# KiCad board Rev3.kicad_pcb (continued)
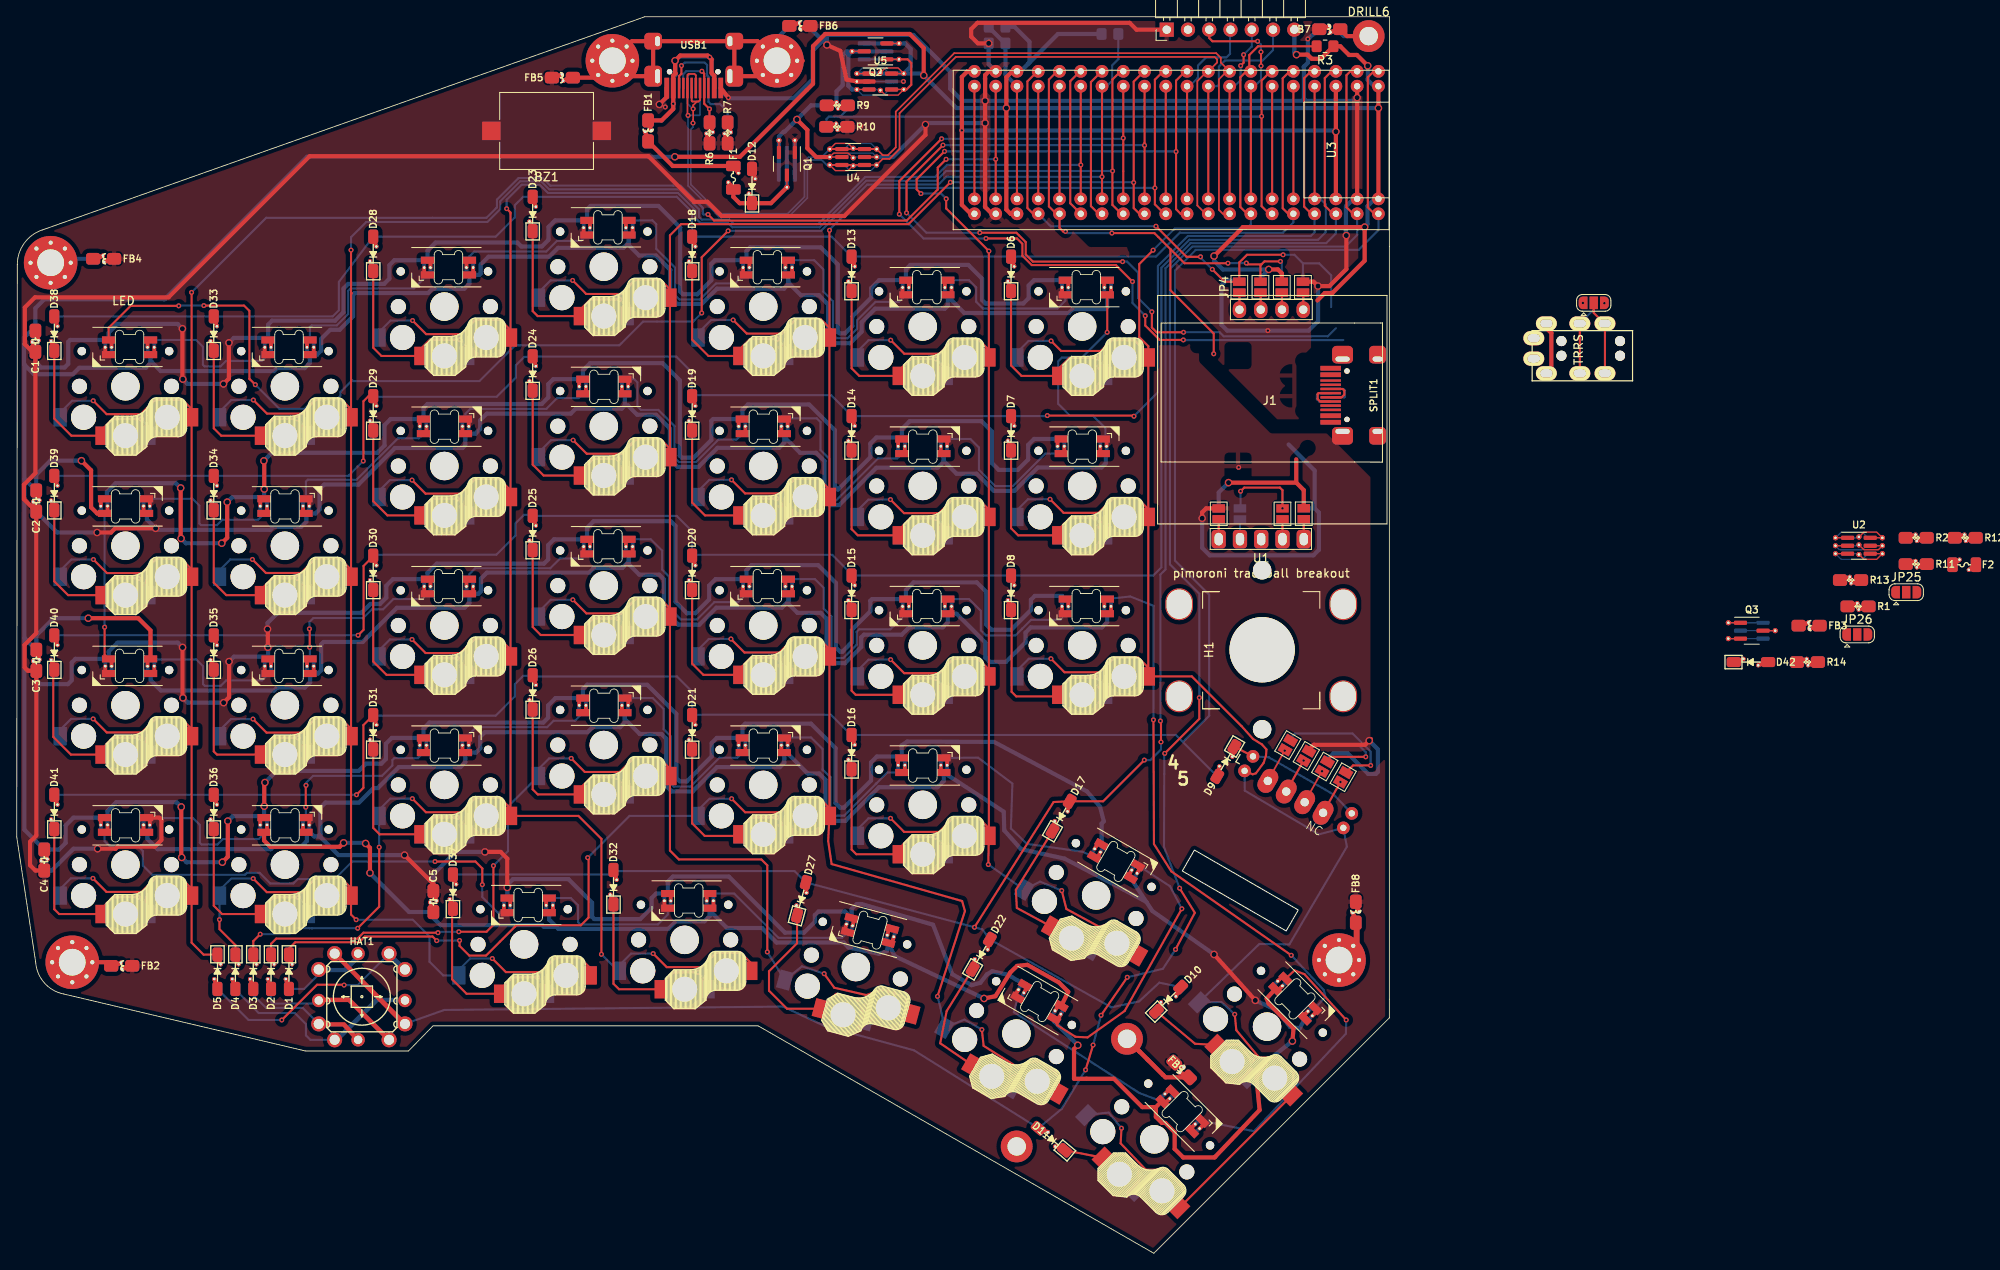
[diagram p0: board, top side]
## Nets
+3V3: R1.1 R2.1 R11.1 R12.1 U3.20 U3.38
/VBUS_BLOCKED: Q1.2 Q2.3 R9.1 U4.5 U5.3
/VBUS_FERRITE: F1.2 FB1.1
/VBUS_FUSED: D12.1 F1.1 Q1.3
GND: BZ1.2 C1.2 C2.2 C3.2 C4.2 C5.2 D12.2 D42.2 FB2.2 FB4.2 FB5.2 FB6.2 FB7.2 FB8.2 FB9.2 J2.A J3.1 JP1.2 JP8.2 JP9.2 JP10.2 JP17.2 JP18.2 Q1.1 Q3.1 R5.2 R6.2 R7.1 R10.2 SPLIT1.A1 SPLIT1.B1 SW1.3 SW2.3 SW3.3 SW4.3 SW6.3 SW7.3 SW8.3 SW9.3 SW10.3 SW11.3 SW12.3 SW13.3 SW14.3 SW15.3 SW16.3 SW17.3 SW18.3 SW19.3 SW20.3 SW21.3 SW22.3 SW23.3 SW24.3 SW25.3 SW26.3 SW27.3 SW28.3 SW29.3 SW30.3 SW31.3 SW32.3 SW33.3 SW34.3 SW35.3 U3.19 U3.39 U4.2 U5.2 USB1.A1 USB1.B1
VDD: C1.1 C2.1 C3.1 C4.1 C5.1 J2.D J3.7 JP2.2 JP7.2 JP13.2 JP14.2 Q2.2 Q3.2 R3.1 R4.1 R8.2 SW1.1 SW2.1 SW3.1 SW4.1 SW6.1 SW7.1 SW8.1 SW9.1 SW10.1 SW11.1 SW12.1 SW13.1 SW14.1 SW15.1 SW16.1 SW17.1 SW18.1 SW19.1 SW20.1 SW21.1 SW22.1 SW23.1 SW24.1 SW25.1 SW26.1 SW27.1 SW28.1 SW29.1 SW30.1 SW31.1 SW32.1 SW33.1 SW34.1 SW35.1 U2.5 U3.18 U3.40 U5.1 U5.5
/SHIELD1: DRILL3.1 FB4.1
/SHIELD4: DRILL6.1 FB7.1
/SHIELD5: DRILL7.1 FB8.1
/SHIELD6: DRILL8.1 DRILL8#2.1 FB9.1
/SHIELD8: DRILL1.1 FB2.1
AUDIO: BZ1.1 U3.35
cc1: R6.1 USB1.A5
cc2: R7.2 USB1.B5
col0: D5.1 SW32.6 SW33.6 SW34.6 SW35.6 U3.22
col1: D4.1 SW27.6 SW28.6 SW29.6 SW30.6 SW31.6 U3.26
col2: D3.1 SW22.6 SW23.6 SW24.6 SW25.6 SW26.6 U3.13
col3: D2.1 SW17.6 SW18.6 SW19.6 SW20.6 SW21.6 U3.12
col4: D1.1 SW12.6 SW13.6 SW14.6 SW15.6 SW16.6 U3.11
col5: SW7.6 SW8.6 SW9.6 SW10.6 SW11.6 U3.10
col6: R3.2 SW1.6 SW2.6 SW3.6 SW4.6 SW5.S2 SW6.6 U3.7
CS: J3.3 U3.34
D+: U3.9 U4.1 U4.6 USB1.A6 USB1.B6
D-: U3.8 U4.3 U4.4 USB1.A7 USB1.B7
ENCA: JP19.2 JP20.2 U3.14
ENCB: JP21.2 JP22.2 U3.15
LED: R8.1 SW32.4 U3.27
LINE1: JP25.2 SPLIT1.A7 SPLIT1.B7
LINE2: JP26.2 SPLIT1.A6 SPLIT1.B6
M: JP19.1 JP23.1 SW5.A
MISO: J3.6 U3.32
MOSI: J3.5 U3.33
N: JP18.1 JP22.1 SW5.B
O: JP17.1 JP21.1 SW5.C
P: JP20.1 JP24.1 SW5.D
PLUG: R9.2 R10.1 U3.6
row0: D6.2 D13.2 D18.2 D23.2 D28.2 D33.2 D38.2 U3.5
row1: D7.2 D14.2 D19.2 D24.2 D29.2 D34.2 D39.2 U3.4
row2: D8.2 D15.2 D20.2 D25.2 D30.2 D35.2 D40.2 U3.37
row3: D9.2 D16.2 D21.2 D26.2 D31.2 D36.2 D41.2 U3.1
row4: D10.2 D17.2 D22.2 D27.2 D32.2 D37.2 U3.3
row5: D11.2 HAT1.4 U3.2
RX: JP25.1 JP26.1 R14.2 U2.3 U2.4
SCK: J3.4 U3.31
SCL: JP3.2 JP6.2 U1.3 U3.16
SDA: JP4.2 JP5.2 JP15.2 JP16.2 U3.17
SHIELD: DRILL4.1 DRILL5.1 FB5.1 FB6.1 SPLIT1.S1 USB1.S1
SPLIT_HAND: R4.2 R5.1 U3.23
TX: JP25.3 JP26.3 R13.2 U2.1 U2.6
USART3_RX: JP11.3 JP12.3 U3.29
USART3_TX: JP11.1 JP12.1 R1.2 R2.2 R11.2 R12.2 R13.1 R14.1 U3.28
V: JP9.1 JP14.1 U1.5
V_USB: FB1.2 USB1.A4 USB1.B4
W: JP10.1 JP13.1 U1.1
X: JP16.1 U1.4
Y: JP15.1 U1.2
Net-(D1-Pad2): D1.2 HAT1.1
Net-(D2-Pad2): D2.2 HAT1.2
Net-(D3-Pad2): D3.2 HAT1.3
Net-(D4-Pad2): D4.2 HAT1.5
Net-(D5-Pad2): D5.2 HAT1.6
Net-(D6-Pad1): D6.1 SW1.5
Net-(D7-Pad1): D7.1 SW2.5
Net-(D8-Pad1): D8.1 SW3.5
Net-(D9-Pad1): D9.1 SW5.S1
Net-(D10-Pad1): D10.1 SW4.5
Net-(D11-Pad1): D11.1 SW6.5
Net-(D13-Pad1): D13.1 SW7.5
Net-(D14-Pad1): D14.1 SW8.5
Net-(D15-Pad1): D15.1 SW9.5
Net-(D16-Pad1): D16.1 SW10.5
Net-(D17-Pad1): D17.1 SW11.5
Net-(D18-Pad1): D18.1 SW12.5
Net-(D19-Pad1): D19.1 SW13.5
Net-(D20-Pad1): D20.1 SW14.5
Net-(D21-Pad1): D21.1 SW15.5
Net-(D22-Pad1): D22.1 SW16.5
Net-(D23-Pad1): D23.1 SW17.5
Net-(D24-Pad1): D24.1 SW18.5
Net-(D25-Pad1): D25.1 SW19.5
Net-(D26-Pad1): D26.1 SW20.5
Net-(D27-Pad1): D27.1 SW21.5
Net-(D28-Pad1): D28.1 SW22.5
Net-(D29-Pad1): D29.1 SW23.5
Net-(D30-Pad1): D30.1 SW24.5
Net-(D31-Pad1): D31.1 SW25.5
Net-(D32-Pad1): D32.1 SW26.5
Net-(D33-Pad1): D33.1 SW27.5
Net-(D34-Pad1): D34.1 SW28.5
Net-(D35-Pad1): D35.1 SW29.5
Net-(D36-Pad1): D36.1 SW30.5
Net-(D37-Pad1): D37.1 SW31.5
Net-(D38-Pad1): D38.1 SW32.5
Net-(D39-Pad1): D39.1 SW33.5
Net-(D40-Pad1): D40.1 SW34.5
Net-(D41-Pad1): D41.1 SW35.5
Net-(D42-Pad1): D42.1 F2.1 Q3.3
Net-(F2-Pad2): F2.2 FB3.2
Net-(FB3-Pad1): FB3.1 SPLIT1.A4 SPLIT1.B4
Net-(J1-Pad1): J1.1 JP4.1 JP8.1
Net-(J1-Pad2): J1.2 JP3.1 JP7.1
Net-(J1-Pad3): J1.3 JP2.1 JP6.1
Net-(J1-Pad4): J1.4 JP1.1 JP5.1
Net-(J2-PadB): J2.B JP12.2
Net-(J2-PadC): J2.C JP11.2
Net-(Q2-Pad1): Q2.1 U5.4
Net-(SW1-Pad2): SW1.2 SW2.4
Net-(SW1-Pad4): SW1.4 SW7.2
Net-(SW2-Pad2): SW2.2 SW8.4
Net-(SW3-Pad2): SW3.2 SW4.4
Net-(SW3-Pad4): SW3.4 SW9.2
Net-(SW4-Pad2): SW4.2 SW6.4
Net-(SW10-Pad2): SW10.2 SW15.4
Net-(SW10-Pad4): SW10.4 SW11.2
Net-(SW11-Pad4): SW11.4 SW16.2
Net-(SW12-Pad2): SW7.4 SW12.2
Net-(SW12-Pad4): SW12.4 SW17.2
Net-(SW13-Pad2): SW13.2 SW18.4
Net-(SW13-Pad4): SW8.2 SW13.4
Net-(SW14-Pad2): SW9.4 SW14.2
Net-(SW14-Pad4): SW14.4 SW19.2
Net-(SW15-Pad2): SW15.2 SW20.4
Net-(SW16-Pad4): SW6.2 SW16.4
Net-(SW17-Pad4): SW17.4 SW22.2
Net-(SW18-Pad2): SW18.2 SW23.4
Net-(SW19-Pad4): SW19.4 SW24.2
Net-(SW20-Pad2): SW20.2 SW25.4
Net-(SW21-Pad4): SW21.4 SW26.2
Net-(SW22-Pad4): SW22.4 SW27.2
Net-(SW23-Pad2): SW23.2 SW28.4
Net-(SW24-Pad4): SW24.4 SW29.2
Net-(SW25-Pad2): SW25.2 SW30.4
Net-(SW26-Pad4): SW26.4 SW31.2
Net-(SW27-Pad4): SW27.4 SW32.2
Net-(SW28-Pad2): SW28.2 SW33.4
Net-(SW29-Pad4): SW29.4 SW34.2
Net-(SW30-Pad2): SW30.2 SW35.4
Net-(SW31-Pad4): SW31.4 SW35.2
Net-(SW33-Pad2): SW33.2 SW34.4

Pads without a net: J3 2; JP23 2; JP24 2; SPLIT1 A5 B5 ~; SW21 2; U1 6 7 8 9; U2 2; U3 21 24 25 30 36; USB1 ~

## Via types
v1: diameter 0.9, hole 0.6, Top to Bottom, 63 vias
v2: diameter 0.6, hole 0.3, Top to Bottom, 194 vias

## Routing (per net, layer and track width the routed paths; a pad name or vN(x,y) marks a point on that pad's centre or on a via; arc(x,y) is an arc through that point)
+3V3: length 77.2
  Top w0.5: U3.38 v1(157.59,134) U3.38 ; 114.41,124.19 113.98,124.19 112.91,125.26 v2(112.91,134.15) 112.91,140.54 113.58,141.21 U3.20
  Bottom w0.5: v2(112.91,134.15) 157.45,134.15 v1(157.59,134)
/VBUS_BLOCKED: length 36.7
  Top w0.5: U4.5 95.5,130.97 94.45,132.02 94.45,134.21 v1(93.21,135.46)
  Bottom w0.5: Q2.3 Q2.3 ; Q2.3 99.34,143.13 99.34,139.49 99.79,139.04 U5.3 ; Q2.3 99.14,143.59 98.68,143.13 98.68,139.56 97.94,138.82 R9.1 97.56,137.14 R9.1 ; Q1.2 Q1.2 91.06,133.43 91.63,134 91.75,134 v1(93.21,135.46) 94.89,137.14 R9.1
/VBUS_FERRITE: length 11.6
  Top w0.5: FB1.1 78.37,129.9 F1.2 85.61,130.06
/VBUS_FUSED: length 12.5
  Top w0.5: F1.1 85.61,126.21 86.37,125.45 D12.1 90.1,125.45 Q1.3
  Bottom w0.5: Q1.3 Q1.3
GND: length 1346.3
  Top w0.5: v1(29.96,74.57) 30,74.53 v1(30,72.4) ; v1(58.6,43.7) 58.6,47.16 57.81,47.95 v1(55.93,47.95) ; v1(76.77,137.25) 77.66,138.13 USB1.A1 ; U3.39 v1(160.13,138.06) U3.39 ; v1(25.35,108.77) 25.35,104.51 v1(24.7,103.86) ; v1(9.6,86.11) 11.26,86.11 11.76,86.61 v1(16.59,86.61) ; 116.96,141.21 116.14,141.21 115.69,140.76 v1(115.69,137.69) v1(115.69,135.03) 115.69,125 116.5,124.19 116.96,124.19 ; C5.2 49.78,44.12 v1(46.33,47.57) ; JP1.2 154.94,116.07 v1(155.46,115.55) 156.82,115.55 158.84,117.57 v1(158.84,121.59) ; 161.78,61.44 v1(161.59,61.25) 161.09,60.75 154.97,60.75 154.39,60.17 JP17.2 ; v1(19.81,72.38) 19.81,66.4 ; v1(9.66,48.33) 11.8,48.33 12.05,48.58 16.5,48.58 17.28,49.36 17.28,51.78 17.02,52.04 SW35.3 ; v1(143.04,35.7) v1(147.97,30.21) ; v1(141.62,87.81) 141.62,88.52 142.09,88.99 JP10.2 ; v1(116.12,144.55) 114.83,144.55 114.03,145.35 114.03,146.26 114.77,147 132.96,147 133.78,146.19 J3.1 ; v1(96.79,144.36) 98.38,143.65 99.13,140.23 U5.2 U5.2 ; v1(19.79,110.46) 19.79,104.48 v1(19.84,104.43) ; v1(25.36,70.69) 25.36,66.43 v1(24.72,65.78) ; v1(108.56,134.86) 108.56,133.62 98.87,123.92 84.21,123.92 82.51,125.62 80.92,125.62 75.47,131.07 35,131.07 18.14,114.21 2.18,114.21 0.97,113 0.97,108.59 1.85,107.71 C1.2 2.23,93.2 0.86,91.83 0.86,90.09 C2.2 2.33,74.08 0.94,72.69 0.94,69.99 1.34,69.59 C3.2 2.34,49.91 1.59,49.16 1.59,46.36 2.22,45.73 C4.2 ; USB1.A1 v2(85.02,138.06)
  Bottom w0.5: 154.03,137.69 159.76,137.69 v1(160.13,138.06) ; 154.03,137.69 v1(115.69,137.69) 112.96,137.69 111.52,139.13 111.52,141.16 107.12,145.56 96.97,145.56 ; 154.03,137.69 153.77,137.95 153.77,141.76 ; v1(161.59,61.25) 162.61,60.22 162.61,57.5 162.38,57.27 161.45,57.27 158.99,59.73 157.31,59.73 156.59,59.01 JP18.2 ; 34.6,88.39 34.6,87.41 33.97,86.78 30.65,86.78 30.3,86.43 16.77,86.43 v1(16.59,86.61) 15.55,87.65 15.55,88.39 ; C3.2 2.34,68.46 2.81,67.99 6.11,67.99 6.57,68.45 6.57,70.58 7,71.01 SW34.3 ; Q1.1 Q1.1 ; 34.66,50.24 34.66,49.26 34.03,48.63 30.71,48.63 30.36,48.28 16.83,48.28 15.61,49.5 15.61,50.24 ; 101.98,77.94 102.2,78.16 SW9.3 106.23,79.23 107.15,80.15 114.69,80.15 115.82,79.02 115.82,75.11 116.44,74.49 118.8,74.49 121.16,76.85 121.16,78.06 121.64,78.54 124.89,78.54 SW3.3 ; 101.98,77.94 101.98,76.7 99.78,74.5 99.78,73.01 98.64,71.87 98.36,71.87 97.87,72.36 97.87,80.08 95.74,82.21 87.78,82.21 87.18,81.61 SW14.3 83.49,80.54 82.72,79.77 82.72,78.11 81.08,76.47 80.07,76.47 78.7,77.84 78.7,86.91 78.15,87.46 68.92,87.46 68.13,86.67 SW19.3 64.19,85.3 63.49,84.6 63.49,82.89 62.99,82.39 50.17,82.39 49.08,81.3 SW24.3 44.94,80.54 44.15,79.75 44.15,78.32 43.4,77.57 42.24,77.57 41.19,76.52 31.18,76.52 29.96,75.3 v1(29.96,74.57) ; 101.98,77.94 101.96,77.96 ; 134.95,41.97 135.67,40.89 v1(143.04,35.7) ; 134.95,41.97 SW11.3 ; 134.95,41.97 132.26,43.43 125.17,47.15 119.96,48.29 117.98,50.52 117.91,52.76 SW10.3 110.75,56.42 110.01,55.68 103.01,55.68 98.99,51.66 97.14,51.66 96.61,52.19 96.61,56.58 95.87,57.32 94.49,57.32 91.99,59.82 SW15.3 91.7,58.61 91.17,58.08 83.65,58.08 80.75,55.18 78.25,55.18 77.58,55.85 77.58,61.48 77.02,62.04 74.43,62.04 72.65,63.82 SW20.3 72.65,63.41 72.09,62.85 68.79,62.85 68.19,62.25 55.91,62.25 55.37,61.71 55.37,60.32 54.87,59.82 SW25.3 53.6,58.67 53.02,58.09 45.65,58.09 43.14,55.58 42.63,55.58 40.89,53.84 36.88,53.84 36.27,53.23 36.27,50.07 ; v1(147.97,30.21) 150.5,29.06 152.14,27.03 153.28,26.88 SW4.3 ; SW2.3 130.1,95.23 130.1,94.38 129.6,93.88 121.99,93.88 119.2,91.09 116.73,91.09 114.69,93.13 112.28,93.13 110.75,94.66 SW8.3 110.75,94.58 110.02,93.85 102.7,93.85 98.23,89.38 97.13,89.38 96.5,90.01 96.5,94.64 95.51,95.63 93.58,95.63 91.7,97.51 SW13.3 91.7,96.85 91.08,96.23 83.72,96.23 81.44,93.95 78.94,93.95 78.02,94.87 78.02,98.54 76.38,100.18 74.12,100.18 73.02,101.28 72.65,101.28 ; v1(9.66,48.33) 6.77,48.33 4.17,45.73 C4.2 ; v1(19.81,72.38) 19.23,72.95 12.03,72.95 10.99,71.91 10.99,71.03 ; 96.97,145.56 95.11,143.7 95.11,140.28 92.82,137.99 85.09,137.99 v2(85.02,138.06) 84.1,138.97 USB1.A1 ; 96.97,145.56 96.79,145.38 v1(96.79,144.36) 94.81,146.34 FB6.2 ; v1(76.77,137.25) 77.66,138.13 USB1.A1 77.65,139.21 ; v1(158.84,121.59) 158.8,121.63 158.8,125.08 159.69,125.97 U3.39 ; v1(116.12,144.55) 116.12,142.04 116.96,141.21 ; SW1.3 121.53,116.26 120.89,115.62 120.89,114.11 120.25,113.47 115.75,113.47 115.32,113.9 115.32,116.44 113.68,118.08 106.75,118.08 106.23,117.56 SW7.3 103.02,116.26 102.08,115.32 102.08,114.17 99.81,111.9 99.81,110.77 98.95,109.91 98.27,109.91 98.09,110.09 98.09,118.13 96.04,120.18 87.61,120.18 87.18,119.75 SW12.3 83.4,118.64 82.98,118.22 82.98,116.24 81.32,114.58 79.58,114.58 79.26,114.9 79.26,122.53 76.66,125.13 68.54,125.13 68.13,124.72 SW17.3 64.32,123.4 63.53,122.61 63.53,121.09 62.72,120.28 60.28,120.28 59.81,120.75 50.04,120.75 49.08,119.79 SW22.3 45.11,118.64 44.52,118.05 44.52,116.44 43.89,115.81 39.59,115.81 39.04,115.26 39.04,112.43 38.03,111.42 30.51,111.42 30.03,110.94 SW27.3 29.78,109.36 25.94,109.36 v1(25.35,108.77) ; JP8.2 145.93,116.2 144.46,116.2 143.93,115.67 143.93,110.92 144.62,110.23 v2(149.47,110.23) 154.33,110.23 155.46,111.36 v1(155.46,115.55) ; 29.8,71.28 25.95,71.28 v1(25.36,70.69) ; v1(19.79,110.46) 19.22,111.03 12.02,111.03 10.98,109.99 SW32.3 6.37,109.11 6.15,108.89 6.15,106.26 5.71,105.82 2.92,105.82 2.23,106.51 C1.2 ; FB7.2 v2(154.24,145.08) 154.24,142.23 153.77,141.76 ; 151.94,96.62 155.06,93.51 155.06,89 ; 72.65,101.28 SW18.3 ; 72.65,101.28 72.28,100.91 66.79,100.91 66.19,100.31 56.15,100.31 55.36,99.52 55.36,98.48 54.8,97.92 SW23.3 53.6,96.54 53.27,96.21 45.19,96.21 40.82,91.84 36.73,91.84 36.18,91.29 36.18,88.88 35.69,88.39 SW28.3 ; v1(30,72.4) 30.03,72.37 SW29.3 ; 36.27,50.07 36.27,49.74 38.44,47.57 v1(46.33,47.57) ; 36.27,50.07 36,49.8 35.53,49.8 35.04,50.29 SW30.3 ; SW31.3 v1(58.6,43.7) 58.6,44.01 59.29,44.7 65.91,44.7 68.74,41.87 68.74,40.19 69.01,39.92 74.48,39.92 75.85,41.29 75.85,42.43 76.39,42.98 SW26.3 77.78,44.39 78.4,45.01 85.07,45.01 91.77,38.31 94.06,38.31 95.35,39.6 95.35,40.4 95.78,40.83 98.97,40.83 SW21.3 99.74,41.11 100.35,41.72 100.94,41.72 109.47,39.25 111.75,33.35 114.08,32.03 115.12,32.31 115.9,33.32 116.53,33.69 118.43,33.27 SW16.3 ; C5.2 49.78,45.3 52.43,47.95 v1(55.93,47.95) ; 153.77,141.76 153.75,141.76 ; 155.06,89 155.57,88.49 155.57,84.04 154.91,83.38 142.52,83.38 141.62,84.28 v1(141.62,87.81) ; 155.06,89 JP9.2 ; 160.12,139.43 U3.39 ; v1(19.86,66.35) 20.42,65.78 v1(24.72,65.78) ; v1(115.69,135.03) 108.74,135.03 v1(108.56,134.86) 104.68,130.97 U4.2 ; v1(9.6,86.11) 4.84,86.11 C2.2 ; v1(19.84,104.43) 20.41,103.86 v1(24.7,103.86)
  vias: v2(77.48,136.95) v2(100.81,134.64) v2(105.93,140) v2(145.98,93.89)
VDD: length 1300.7
  Top w0.5: v1(29.57,53.41) 29.57,56.16 v1(29.65,56.24) ; JP2.2 151.13,117.08 150.67,117.54 v1(149.57,117.54) ; 144.85,92.15 v1(144.77,92.07) 152.86,92.07 ; 119.5,124.19 118.73,124.19 118.23,124.69 v1(118.23,136.82) 118.23,140.5 118.94,141.21 U3.18 ; SW16.1 125.62,31.24 124.52,32.34 120.74,34.46 119.51,34.33 118.71,33.56 116.92,30.71 v1(115.56,30.44) ; U3.40 v1(162.68,136.81) U3.40 ; v1(42.2,45.44) 42.2,48.44 v1(41.68,48.96) ; 152.86,92.07 153.75,91.18 JP14.2 ; 152.86,92.07 152.86,94.85 ; SW30.1 29.55,49.31 30.3,48.56 38.57,48.56 v1(39.05,49.04) ; 136.09,17.46 136.09,16.3 136.82,15.57 137.22,15.57 138.33,14.46 138.33,12.47 139.35,11.45 143.1,11.45 143.19,11.54 148.48,17.11 148.11,20.92 v1(148.99,22.66) ; 136.09,17.46 134.47,17.46 131.08,20.85 126.31,20.85 126.31,24.4 v1(126.76,24.85) ; 136.09,17.46 136.73,18.1 SW6.1 ; J2.D 183.34,105.73 183.34,109.94 182.74,110.54 J2.D ; v1(161.4,141.87) 160.11,143.16 159.16,143.16 158.12,144.2 R3.1 155.81,142.71 154.71,142.71 154.22,143.2 v1(152.89,143.2) ; v1(152.4,25.35) 152.54,26.87 149.57,29.82 149.33,30.44 SW4.1 ; SW34.1 15.98,74.41 14.52,75.87 v1(8.55,75.87) ; v1(78.62,131) 86.41,131 95.13,139.72 95.13,144.22 96.58,145.67 106.68,145.67 108.35,144 v1(108.35,140.72) ; v1(25.14,89.74) 25.14,85.48 v1(24.5,84.83) ; v1(29.52,94.67) 29.57,94.62 v1(29.57,91.3) ; v1(19.66,53.32) 19.66,47.34 ; SW33.1 9.61,88.39 8.88,89.12 8.88,93.54 v1(7.73,94.69) ; v1(25.22,51.63) 25.22,47.37 v1(24.56,46.72) ; v1(143.04,119.14) 146.5,122.6 v1(161.03,122.6) 161.03,118.58 157.17,114.72 156.27,114.72 155.39,113.84 ; v1(19.58,91.43) 19.58,85.45
  Bottom w0.5: 10.84,51.97 10.84,52.85 11.89,53.89 19.08,53.89 v1(19.66,53.32) ; v1(29.52,94.67) 30.49,95.64 43.07,95.64 43.94,96.51 43.94,98.94 44.67,99.67 SW23.1 48.6,101 49.06,101.46 62.72,101.46 63.5,102.24 63.5,103.84 64.09,104.43 SW18.1 67.65,105.49 68.5,106.34 77.17,106.34 79.22,104.29 79.22,95.29 79.46,95.05 80.86,95.05 82.98,97.17 82.98,99.45 83.2,99.67 SW13.1 86.7,100.77 87.34,101.41 94.66,101.41 97.74,98.33 97.74,91.61 98.09,91.26 98.13,91.26 101.98,95.11 101.98,96.74 102.7,97.46 105.57,97.46 SW8.1 105.75,98.48 106.68,99.41 115.27,99.41 116.51,98.17 116.51,94.4 117.32,93.59 119.59,93.59 120.83,94.83 120.83,96.58 121.54,97.29 SW2.1 ; v1(39.05,49.04) 41.6,49.04 v1(41.68,48.96) ; 0.92,92.54 0.92,73.52 ; 0.92,92.54 0.92,106.17 ; 0.92,92.54 C2.1 2.33,93.01 4.01,94.69 v1(7.73,94.69) ; 0.92,73.52 C3.1 2.34,73.81 4.4,75.87 v1(8.55,75.87) ; 0.92,73.52 0.92,50.61 3.29,48.23 5.05,48.23 5.84,49.02 5.84,51.11 6.77,52.04 SW35.1 ; Q2.2 Q2.2 106.13,144.54 106.8,143.87 106.8,141.77 U5.5 ; SW31.1 63.6,39.87 64.46,39.02 ; 64.46,39.02 64.44,39 63,39 62.8,39.2 50.62,39.2 49.78,40.05 C5.1 46.87,40.77 v1(42.2,45.44) ; 64.46,39.02 64.71,38.76 77.85,38.76 78.75,39.66 82.16,39.66 82.78,40.28 SW26.1 82.78,40.93 84.85,38.86 89.04,38.86 90.78,37.12 98.79,37.12 99.37,36.54 103.02,35.77 103.96,36.11 SW21.1 104.89,35.5 v1(115.56,30.44) ; JP7.2 148.59,116.56 v1(149.57,117.54) 144.08,117.54 143.04,118.58 v1(143.04,119.14) ; R8.2 124.39,145.67 120.79,142.07 120.79,142.06 ; v1(29.57,53.41) 29.55,53.39 SW30.1 ; U5.1 U5.5 ; U5.5 108.14,140.94 v1(108.35,140.72) 112.26,136.82 v1(118.23,136.82) 162.67,136.82 v1(162.68,136.81) ; v1(19.58,91.43) 19.02,92 11.81,92 10.77,90.96 10.77,90.08 ; 35.05,69.19 35.05,68.21 34.42,67.58 31.1,67.58 30.75,67.23 17.22,67.23 16,68.45 16,69.19 ; v1(148.99,22.66) v1(152.4,25.35) ; JP13.2 143.59,90.9 v1(144.77,92.07) ; J3.7 152.62,143.47 v1(152.89,143.2) ; v1(24.56,46.72) 20.28,46.72 v1(19.7,47.29) ; SW29.1 35.98,69.26 36.37,69.65 36.37,72.75 36.65,73.03 41.33,73.03 45.42,77.12 53.5,77.12 54.08,77.7 SW24.1 55.15,78.79 55.45,79.09 55.45,80.6 56.17,81.32 68.39,81.32 68.89,81.82 68.89,81.83 68.93,81.87 72.34,81.87 73.13,82.66 SW19.1 73.13,82.31 74.36,81.08 76.75,81.08 77.31,80.52 77.31,76.81 79.02,75.1 81.55,75.1 83.58,77.13 91.42,77.13 92.23,77.94 92.23,78.74 SW14.1 92.18,77.6 93.27,76.51 96.05,76.51 96.74,75.82 96.74,71.27 97.51,70.5 98.95,70.5 100.89,72.44 100.89,73.58 101.21,73.9 105.73,73.9 106.61,74.78 110.63,74.78 111.23,75.38 SW9.1 112.27,76.41 115.72,72.96 115.72,71.17 116.24,70.65 118.18,70.65 120.52,72.99 120.52,74.15 121.14,74.77 129.64,74.77 130.28,75.41 SW3.1 ; v1(25.22,51.63) 25.81,52.22 29.65,52.22 ; v1(161.4,141.87) 161.4,140.19 162.16,139.43 U3.40 ; v1(29.65,56.24) 31.04,57.63 40.86,57.63 41.72,58.49 43.55,58.49 44.1,59.04 44.1,60.86 44.81,61.57 SW25.1 48.6,62.7 49.3,63.4 62.9,63.4 63.48,63.98 63.48,65.44 64.37,66.33 SW20.1 67.65,67.43 68.14,67.92 75.32,67.92 78.8,64.44 78.8,56.79 79.21,56.38 80.05,56.38 83.03,59.36 83.03,60.97 83.63,61.57 SW15.1 86.7,62.95 87.02,63.27 94.89,63.27 97.82,60.34 97.82,53.79 98.37,53.24 98.82,53.24 102.06,56.48 102.06,58.65 102.75,59.34 105.59,59.34 SW10.1 105.71,60.68 106.38,61.13 116.75,61.09 127.86,55.18 129.42,53.34 129.87,51.6 129.61,51.34 SW11.1 ; U3.18 119.94,141.21 120.79,142.06 ; v1(24.5,84.83) 20.2,84.83 v1(19.64,85.4) ; v1(161.03,122.6) 161.37,122.94 161.37,125.1 162.24,125.97 U3.40 162.92,125.97 ; R4.1 119.21,146.53 120.99,144.74 120.99,142.26 120.79,142.06 ; SW1.1 130.28,113.03 130.06,112.81 126.16,112.81 125.68,112.33 113.21,112.33 111.23,114.31 SW7.1 111.23,113.21 110.87,112.85 102.56,112.85 100.94,111.23 100.94,110.1 99.56,108.72 97.69,108.72 96.94,109.47 96.94,113.36 95.84,114.46 93.69,114.46 92.18,115.97 SW12.1 92.18,115.75 91.67,115.24 83.66,115.24 81.84,113.42 78.86,113.42 78.07,114.21 78.07,117.49 76.36,119.2 74.35,119.2 73.13,120.42 SW17.1 73.13,120.76 72.49,120.12 64.67,120.12 63.61,119.06 56.36,119.06 55.42,118.12 55.42,117.05 55.26,116.89 SW22.1 54.08,115.85 53.46,115.23 49.66,115.23 49.15,114.72 40.36,114.72 40.18,114.54 40.18,111.94 38.57,110.33 37.45,110.33 36.37,109.25 36.37,107.84 35.89,107.36 SW27.1 35.03,106.38 34.4,105.75 31.08,105.75 30.73,105.4 17.2,105.4 16.12,106.48 ; SW32.1 15.98,106.62 16.12,106.48 ; 16.12,106.48 15.43,105.79 7.47,105.79 6.7,105.02 2.06,105.02 0.92,106.17 ; 0.92,106.17 0.87,106.21 0.87,109.37 1.71,110.21 2.23,110.21 2.23,112.91 3.3,113.98 17.67,113.98 34.69,131 v1(78.62,131) ; 29.58,90.33 25.73,90.33 v1(25.14,89.74) ; v1(126.76,24.85) 123.91,27.7 SW16.1 ; v1(29.57,91.3) 29.55,91.28 SW28.1
/SHIELD1: length 5.3
  Bottom w0.5: DRILL3.1 4.52,118.81 FB4.1
/SHIELD4: length 7.4
  Top w0.5: FB7.1 158.93,145.42 DRILL6.1
  Bottom w0.5: 158.04,145.92 158.54,145.42 DRILL6.1
/SHIELD5: length 8.1
  Top w0.5: 160.18,36.72 160.18,39.3 FB8.1 159.97,34.52 160.18,34.32
/SHIELD6: length 16.8
  Top w0.5: 134.16,24.06 135.26,22.99 ; 134.16,24.06 133.37,24.84 ; 134.16,24.06 DRILL8#2.1 136.97,21.28 ; 135.26,22.99 135.11,23.14 135.07,23.14 ; 135.26,22.99 136.97,21.28 ; 136.97,21.28 137.23,21.02 FB9.1
/SHIELD8: length 4.8
  Top w0.5: DRILL1.1 10.86,34.77 FB2.1
AUDIO: length 13.5
  Top w0.25: U3.35 U3.35
cc1: length 10.5
  Top w0.25: 82.77,135.1 82.76,135.11 v2(82.76,136.71) 82.13,137.34 USB1.A5 82.13,140.94 v2(81.85,141.22)
  Bottom w0.25: USB1.A5 79.63,140.87 79.98,141.22 v2(81.85,141.22)
cc2: length 14.7
  Top w0.25: v2(79.41,141.88) 79.41,140.92 79.13,140.64 USB1.B5
  Bottom w0.25: 84.93,135.1 84.93,136.39 84.03,137.29 82.92,137.29 82.63,137.58 USB1.B5 82.64,139.22 82.64,140.55 82.47,140.72 82.47,141.98 82.2,142.25 79.78,142.25 v2(79.41,141.88)
col0: length 283.4
  Top w0.25: 20.89,114.92 v2(20.89,114.8) SW32.6 ; SW32.6 SW33.6 SW34.6 SW35.6 20.89,37.11 22.32,35.68 D5.1 ; SW32.6 20.89,100.88 19.81,101.96 16.52,101.96 14.81,100.25 10.74,100.25 v2(9.14,101.85) ; 20.83,80.82 20.83,81.77 19.59,83.01 16.71,83.01 14.96,81.26 10.78,81.26 v2(9.16,82.88) ; 116.96,125.97 v2(116.96,130.71) 116.96,139.43 ; v2(111.03,130.7) 110.03,129.7 110.03,127.09 106.32,123.38 83.31,123.38 v2(82.58,124.11) ; 20.77,42.73 20.77,43.68 19.53,44.92 16.65,44.92 14.9,43.17 10.72,43.17 v2(9.1,44.79) ; v2(9.13,63.84) 10.75,62.22 14.93,62.22 16.68,63.97 19.56,63.97 20.8,62.73 20.8,61.78
  Bottom w0.25: v2(9.1,44.79) 6.46,44.79 5.07,43.4 5.07,42.73 ; v2(111.03,130.7) 116.95,130.7 v2(116.96,130.71) ; v2(9.14,101.85) 6.61,101.85 5.19,100.43 SW32.6 ; v2(9.16,82.88) 6.52,82.88 5.13,81.49 5.13,80.82 ; 5.1,61.78 5.1,62.45 6.49,63.84 v2(9.13,63.84) ; v2(82.58,124.11) 82.05,124.11 81.97,124.19 81.97,124.89 79.31,127.55 63.74,127.55 62.83,128.46 59.95,128.46 57.37,125.88 57.37,124.96 56.12,123.71 29.8,123.71 v2(20.89,114.8)
col1: length 315.1
  Top w0.25: SW27.6 39.94,100.83 38.7,102.07 35.82,102.07 34.07,100.32 29.89,100.32 v2(28.27,101.94) ; SW27.6 SW28.6 SW29.6 SW30.6 39.94,40.46 v2(40.55,39.85) ; SW27.6 39.94,114.61 ; v2(28.25,44.76) 29.87,43.14 34.05,43.14 35.8,44.89 38.68,44.89 39.92,43.65 39.92,42.7 ; v2(28.22,63.82) 29.84,62.2 34.02,62.2 35.77,63.95 38.65,63.95 39.89,62.71 39.89,61.76 ; 39.82,80.83 39.82,81.78 38.58,83.02 35.7,83.02 33.95,81.27 29.77,81.27 v2(28.15,82.89) ; U3.26 v2(127.12,130.03) U3.26 ; D4.1 26.12,36.82 24.22,38.72 v2(24.22,39.86) ; 39.94,114.61 v2(39.94,119.85) ; 39.94,114.61 40.04,114.71 ; v2(56.81,35.21) 58.43,33.59 62.61,33.59 64.36,35.34 67.24,35.34 68.48,34.1 68.48,33.15
  Bottom w0.25: v2(39.94,119.85) 39.94,121.39 41.76,123.21 56.22,123.21 57.76,124.75 57.76,125.68 60.15,128.07 62.64,128.07 63.6,127.11 79.11,127.11 81.49,124.73 81.49,123.83 81.83,123.49 85.14,123.49 85.63,123 95.79,123 101.38,128.59 109.71,128.59 111.15,130.03 v2(127.12,130.03) ; v2(28.27,101.94) 25.63,101.94 24.24,100.55 SW27.6 ; v2(28.22,63.82) 25.58,63.82 24.19,62.43 24.19,61.76 ; v2(56.81,35.21) 54.17,35.21 52.78,33.82 52.78,33.15 ; v2(24.22,39.86) 24.24,39.88 SW30.6 ; SW31.6 50.94,33.2 49.31,34.83 49.31,37.85 47.31,39.85 v2(40.55,39.85) ; v2(28.25,44.76) 25.61,44.76 24.22,43.37 24.22,42.7 ; 24.12,80.83 24.12,81.5 25.51,82.89 v2(28.15,82.89)
col2: length 327.8
  Top w0.25: 87.7,33.74 87.7,34.69 86.46,35.93 83.58,35.93 81.83,34.18 77.65,34.18 v2(76.03,35.8) ; v2(58.53,124.8) 58.99,124.34 SW22.6 SW25.6 67.11,52.25 69.85,49.51 v2(69.85,35.72) ; D3.1 28.26,37.29 v2(29.09,38.12) ; U3.13 131.88,141.21 130.9,140.23 130.9,125.25 131.96,124.19 132.19,124.19 ; 58.89,71.27 58.89,72.22 57.65,73.46 54.77,73.46 53.02,71.71 48.84,71.71 v2(47.22,73.33) ; 58.96,109.37 58.96,110.32 57.72,111.56 54.84,111.56 53.09,109.81 48.91,109.81 v2(47.29,111.43) ; v2(40.73,38.83) 43.3,41.4 v2(43.3,48.51) ; v2(47.26,54.31) 48.88,52.69 53.06,52.69 54.81,54.44 57.69,54.44 58.93,53.2 58.93,52.25 ; 58.89,90.31 58.89,91.26 57.65,92.5 54.77,92.5 53.02,90.75 48.84,90.75 v2(47.22,92.37)
  Bottom w0.25: SW25.6 43.29,48.52 v2(43.3,48.51) ; v2(47.22,73.33) 44.58,73.33 43.19,71.94 43.19,71.27 ; 43.19,90.31 43.19,90.98 44.58,92.37 v2(47.22,92.37) ; SW26.6 71.83,33.74 v2(69.85,35.72) ; v2(130.92,129.3) 111.04,129.3 109.88,128.14 101.48,128.14 95.92,122.58 85.5,122.58 84.97,123.11 81.66,123.11 81.1,123.67 81.1,124.58 79,126.68 63.46,126.68 62.48,127.66 60.32,127.66 58.53,125.87 v2(58.53,124.8) ; 72,33.74 72,34.41 73.39,35.8 v2(76.03,35.8) ; 43.23,52.25 43.23,52.92 44.62,54.31 v2(47.26,54.31) ; v2(47.29,111.43) 44.65,111.43 43.26,110.04 43.26,109.37 ; v2(40.73,38.83) 33.25,38.83 32.54,38.12 v2(29.09,38.12)
col3: length 323.2
  Top w0.25: v2(96.46,33.4) 97.67,31.72 101.49,30.85 103.47,31.53 106.09,30.57 SW21.6 ; 78.08,114.17 78.08,115.12 76.84,116.36 73.96,116.36 72.21,114.61 68.03,114.61 v2(66.41,116.23) ; 78.14,95.08 78.14,96.03 76.9,97.27 74.02,97.27 72.27,95.52 68.09,95.52 v2(66.47,97.14) ; 134.74,124.19 134.12,124.19 133.44,124.87 v2(133.44,127.92) 133.44,139.98 134.67,141.21 U3.12 ; 77.91,57.06 77.91,58.01 76.67,59.25 73.79,59.25 72.04,57.5 67.86,57.5 v2(66.24,59.12) ; v2(111.54,127.95) 106.54,122.95 79.37,122.95 78.04,121.62 SW17.6 SW20.6 78.04,48.11 79.1,47.05 88.96,47.05 89.67,46.34 v2(89.67,36) ; 78.1,76.01 78.1,76.96 76.86,78.2 73.98,78.2 72.23,76.45 68.05,76.45 v2(66.43,78.07) ; v2(52.81,38.41) 56.12,38.41 56.95,39.24 v2(56.95,46.3) ; D2.1 30.38,36.97 31,37.59 40.71,37.59 41.42,38.3 v2(50.32,38.3)
  Bottom w0.25: v2(56.95,46.3) 58.69,48.04 58.69,53.37 SW20.6 ; 62.44,95.08 62.44,95.75 63.83,97.14 v2(66.47,97.14) ; 62.4,76.01 62.4,76.68 63.79,78.07 v2(66.43,78.07) ; v2(89.67,36) SW21.6 93.82,34.28 v2(96.46,33.4) ; v2(111.54,127.95) 133.41,127.95 v2(133.44,127.92) ; 62.21,57.06 62.21,57.73 63.6,59.12 v2(66.24,59.12) ; v2(50.32,38.3) 50.43,38.41 v2(52.81,38.41) ; v2(66.41,116.23) 63.77,116.23 62.38,114.84 62.38,114.17
col4: length 328.6
  Top w0.25: 97.06,90.34 97.06,91.29 95.82,92.53 92.94,92.53 91.19,90.78 87.01,90.78 v2(85.39,92.4) ; v2(115.3,26.72) 115.51,24.78 119.63,22.19 121.41,22.92 121.8,23.03 124.03,21.68 124.5,20.92 SW16.6 ; 96.99,71.33 96.99,72.28 95.75,73.52 92.87,73.52 91.12,71.77 86.94,71.77 v2(85.32,73.39) ; U3.11 136.97,141.21 135.97,140.21 v2(135.97,127.28) 135.97,125.32 137.1,124.19 137.28,124.19 ; D1.1 32.52,36.41 33.27,37.16 40.91,37.16 41.59,37.84 49.68,37.84 v2(50.17,37.35) ; 97.07,52.24 97.07,53.19 95.83,54.43 92.95,54.43 91.2,52.68 87.02,52.68 v2(85.4,54.3) ; 97.26,109.44 97.26,110.39 96.02,111.63 93.14,111.63 91.39,109.88 87.21,109.88 v2(85.59,111.5) ; v2(110,30.69) 113.28,40.89 112.94,42.08 97.35,46.5 96.94,49.26 SW15.6 SW12.6 97.09,122.21 v2(97.1,122.22) ; v2(52.9,37.37) 52.9,36.73 54.07,35.56 56.06,35.56 59.68,39.18 67.39,39.18 68.32,40.11 68.32,47.15 v2(68.21,47.26)
  Bottom w0.25: v2(52.9,37.37) 52.88,37.35 v2(50.17,37.35) ; v2(115.3,26.72) 113.22,27.92 SW16.6 110.82,27.05 110.36,29.3 v2(110,30.69) ; 81.37,52.24 81.37,52.91 82.76,54.3 v2(85.4,54.3) ; v2(85.32,73.39) 82.68,73.39 81.29,72 81.29,71.33 ; v2(85.39,92.4) 82.75,92.4 81.36,91.01 81.36,90.34 ; v2(97.1,122.22) 97.1,122.28 102.1,127.28 v2(135.97,127.28) ; v2(85.59,111.5) 82.95,111.5 81.56,110.11 81.56,109.44 ; SW15.6 73.2,52.25 v2(68.21,47.26)
col5: length 241.5
  Top w0.25: U3.10 139.61,141.21 138.5,140.1 v2(138.5,131.62) 138.5,124.74 139.05,124.19 139.81,124.19 ; v2(111.04,125.98) 111.04,124.83 v2(116.14,119.73) SW7.6 SW10.6 v2(116.07,46.44) ; 116.06,49.9 116.06,50.85 114.82,52.09 111.94,52.09 110.19,50.34 106.01,50.34 v2(104.39,51.96) ; SW11.6 133.87,38.11 131.01,39.54 129.33,39 125.4,41.13 v2(124.84,43.33) ; 116.07,68.86 116.07,69.81 114.83,71.05 111.95,71.05 110.2,69.3 106.02,69.3 v2(104.4,70.92) ; v2(104.41,109.09) 106.03,107.47 110.21,107.47 111.96,109.22 114.84,109.22 116.08,107.98 116.08,107.03 ; v2(104.38,90.04) 106,88.42 110.18,88.42 111.93,90.17 114.81,90.17 116.05,88.93 116.05,87.98 ; v2(108.02,126.6) 107.51,127.11 107.51,128.32 v2(110.84,131.65)
  Bottom w0.25: v2(104.4,70.92) 101.76,70.92 100.37,69.53 100.37,68.86 ; v2(104.41,109.09) 101.77,109.09 100.38,107.7 100.38,107.03 ; v2(124.84,43.33) 122.25,44.4 SW11.6 v2(116.07,46.44) ; v2(138.5,131.62) 138.47,131.65 v2(110.84,131.65) ; v2(104.39,51.96) 101.75,51.96 100.36,50.57 100.36,49.9 ; v2(104.38,90.04) 101.74,90.04 100.35,88.65 100.35,87.98 ; v2(111.04,125.98) 110.42,126.6 v2(108.02,126.6)
col6: length 278.1
  Top w0.25: 147.44,124.19 146.99,124.19 146.18,125 146.18,140.5 146.89,141.21 U3.7 147.25,141.39 147.25,143.16 148.29,144.2 R3.2 ; 135.11,88.02 135.11,88.97 133.87,90.21 130.99,90.21 129.24,88.46 125.06,88.46 v2(123.44,90.08) ; v2(123.57,109) 124.77,107.8 129.52,107.8 130.82,109.1 133.51,109.1 135.19,107.42 SW1.6 ; v2(123.55,71.03) 125.17,69.41 129.35,69.41 131.1,71.16 133.98,71.16 135.22,69.92 135.22,68.97 ; SW1.6 SW2.6 SW3.6 140.38,68.92 146.33,62.97 147.69,61.45 148.76,60.79 149.3,60.19 149.25,59.49 148.97,58.6 148.04,57.34 147.65,57.22 SW5.S2 ; SW1.6 135.19,108.36 134.1,109.45 134.1,118.18 v2(135.76,119.84) ; v2(145.51,28.55) 145.7,26.65 148.41,23.39 150.56,23.39 152.53,21.5 SW4.6 SW6.6 139.37,7.28 139.14,8.02 137.15,9.98 134.89,9.98 131.88,13.13 v2(131.98,14.94)
  Bottom w0.25: v2(123.44,90.08) 120.8,90.08 119.41,88.69 119.41,88.02 ; v2(135.76,119.84) 138.34,122.42 146.93,122.42 147.44,122.93 147.44,124.19 ; v2(145.51,28.55) 143.91,30.02 SW4.6 148.45,36.95 152.04,36.9 158.91,48.57 SW5.S2 155.57,50.05 146.71,55.27 SW5.S2 ; v2(131.98,14.94) 130.46,16.8 130.04,16.77 SW6.6 ; v2(123.55,71.03) 120.91,71.03 119.52,69.64 119.52,68.97 ; v2(123.57,109) 120.88,109 119.49,107.61 SW1.6
CS: length 26.7
  Top w0.25: U3.34 U3.34 ; v2(148.65,141.86) 148.65,143.52 v2(148.64,143.53) ; v2(148.24,144.8) 142.85,144.8 142.47,145.19 J3.3
  Bottom w0.25: U3.34 147.89,139.43 148.65,140.19 v2(148.65,141.86) ; v2(148.64,143.53) 148.64,144.4 v2(148.24,144.8)
D+: length 121.7
  Top w0.2: U4.6 U4.1 U4.1 ; U4.1 103.45,130.74 104.27,130.74 105.47,131.94 105.47,136.21 112.18,142.93 143.11,142.93 143.4,142.63 143.4,142.25 U3.9 142.22,141.21 141.04,140.03 141.04,125.18 142.03,124.19 142.35,124.19 ; 80.2,135.76 v2(80.2,135.94) 80.13,136.01 USB1.B6 80.13,140.77 80.26,140.9 80.96,140.9 81.13,140.73 USB1.A6
  Bottom w0.2: U4.1 101.18,129.92 U4.6 ; 81.63,137.71 USB1.B6 ; 81.63,137.71 81.53,137.61 80.73,137.61 80.63,137.71 USB1.A6 ; 81.63,137.71 81.63,136.03 81.54,135.94 v2(80.2,135.94) 80.2,127.54 83.89,123.85 92.23,123.85 94.45,126.07 94.45,130.34 94.73,130.62 96.16,130.62 96.76,130.02 U4.6
D-: length 123.3
  Top w0.2: USB1.A7 80.63,137.68 80.71,137.6 81.26,137.6 ; U4.4 100.03,131.92 U4.3 U4.3 ; U4.3 U4.4 ; U4.3 103.45,131.2 104.09,131.2 105.01,132.12 105.01,136.39 112,143.38 143.29,143.38 143.85,142.82 143.85,142.25 U3.8 144.57,141.21 143.62,140.26 143.62,124.66 144.09,124.19 144.9,124.19 ; v2(80.79,135.03) 80.81,135.05 v2(80.81,136.73) 80.81,137.15 81.26,137.6 ; USB1.B7 81.63,137.78 81.45,137.6 81.26,137.6
  Bottom w0.2: U4.4 96.16,130.95 94.57,130.95 94.11,130.49 94.11,126.21 92.09,124.19 84.02,124.19 80.53,127.68 80.53,134.27 80.79,134.53 v2(80.79,135.03) ; USB1.A7 81.13,140.73 81,140.86 80.39,140.86 80.13,140.6 USB1.B7 80.13,137.35 80.75,136.73 v2(80.81,136.73)
ENCA: length 34.3
  Top w0.25: 129.66,124.19 129.24,124.19 128.33,125.1 128.33,139.93 129.61,141.21 U3.14 ; JP19.2 159.64,58.28 v2(161.75,58.28)
  Bottom w0.25: v2(161.75,58.28) 161.75,59.93 159.58,62.1 152.7,62.1 152.18,61.58 JP20.2
ENCB: length 31.2
  Top w0.25: JP22.2 156.59,58.94 156.96,59.31 v2(161.16,59.31) ; 127.12,124.19 125.86,125.45 125.86,140.03 127.04,141.21 U3.15
  Bottom w0.25: JP21.2 154.39,60.2 154.97,60.78 160.25,60.78 161.16,59.87 v2(161.16,59.31)
LED: length 167.6
  Top w0.25: v2(84.99,122.15) 81.83,118.99 v2(81.83,112.34) ; U3.27 v2(129.66,128.62) U3.27 ; SW32.4 10.98,110.56 13.61,113.19 v2(19.35,113.19) ; v2(22.35,113.22) 27.16,113.22 27.79,112.59 27.79,104.48 v2(28.5,103.77)
  Bottom w0.25: v2(129.66,128.62) 111.06,128.62 110.11,127.67 101.59,127.67 96.07,122.15 v2(84.99,122.15) ; U3.27 130.21,139.43 130.88,140.1 130.88,141.93 131.6,142.65 R8.1 ; v2(81.83,112.34) 80.8,111.31 74.83,111.31 72,108.48 59.55,108.48 55.27,104.2 40.18,104.2 40.08,104.3 38.67,102.89 38.67,102.44 38.15,101.92 35.44,101.92 34.41,100.89 31.38,100.89 v2(28.5,103.77) ; v2(22.35,113.22) 19.38,113.22 v2(19.35,113.19)
